# Altium PCB SONDE_2.PcbDoc (part 10 of 10)
Units mil, origin at the board's own origin, x right, y up, seen from the top; angles counter-clockwise.
Board outline 10236.22 x 6701.71 mil, 4 copper layers (Top Layer, GND, Internal Plane 2, Bottom Layer), stack 30.9 mil thick; 1794 components, 936 nets, 4747 pads, 493 vias.
Unrouted connection lines stored in the file: 1122.
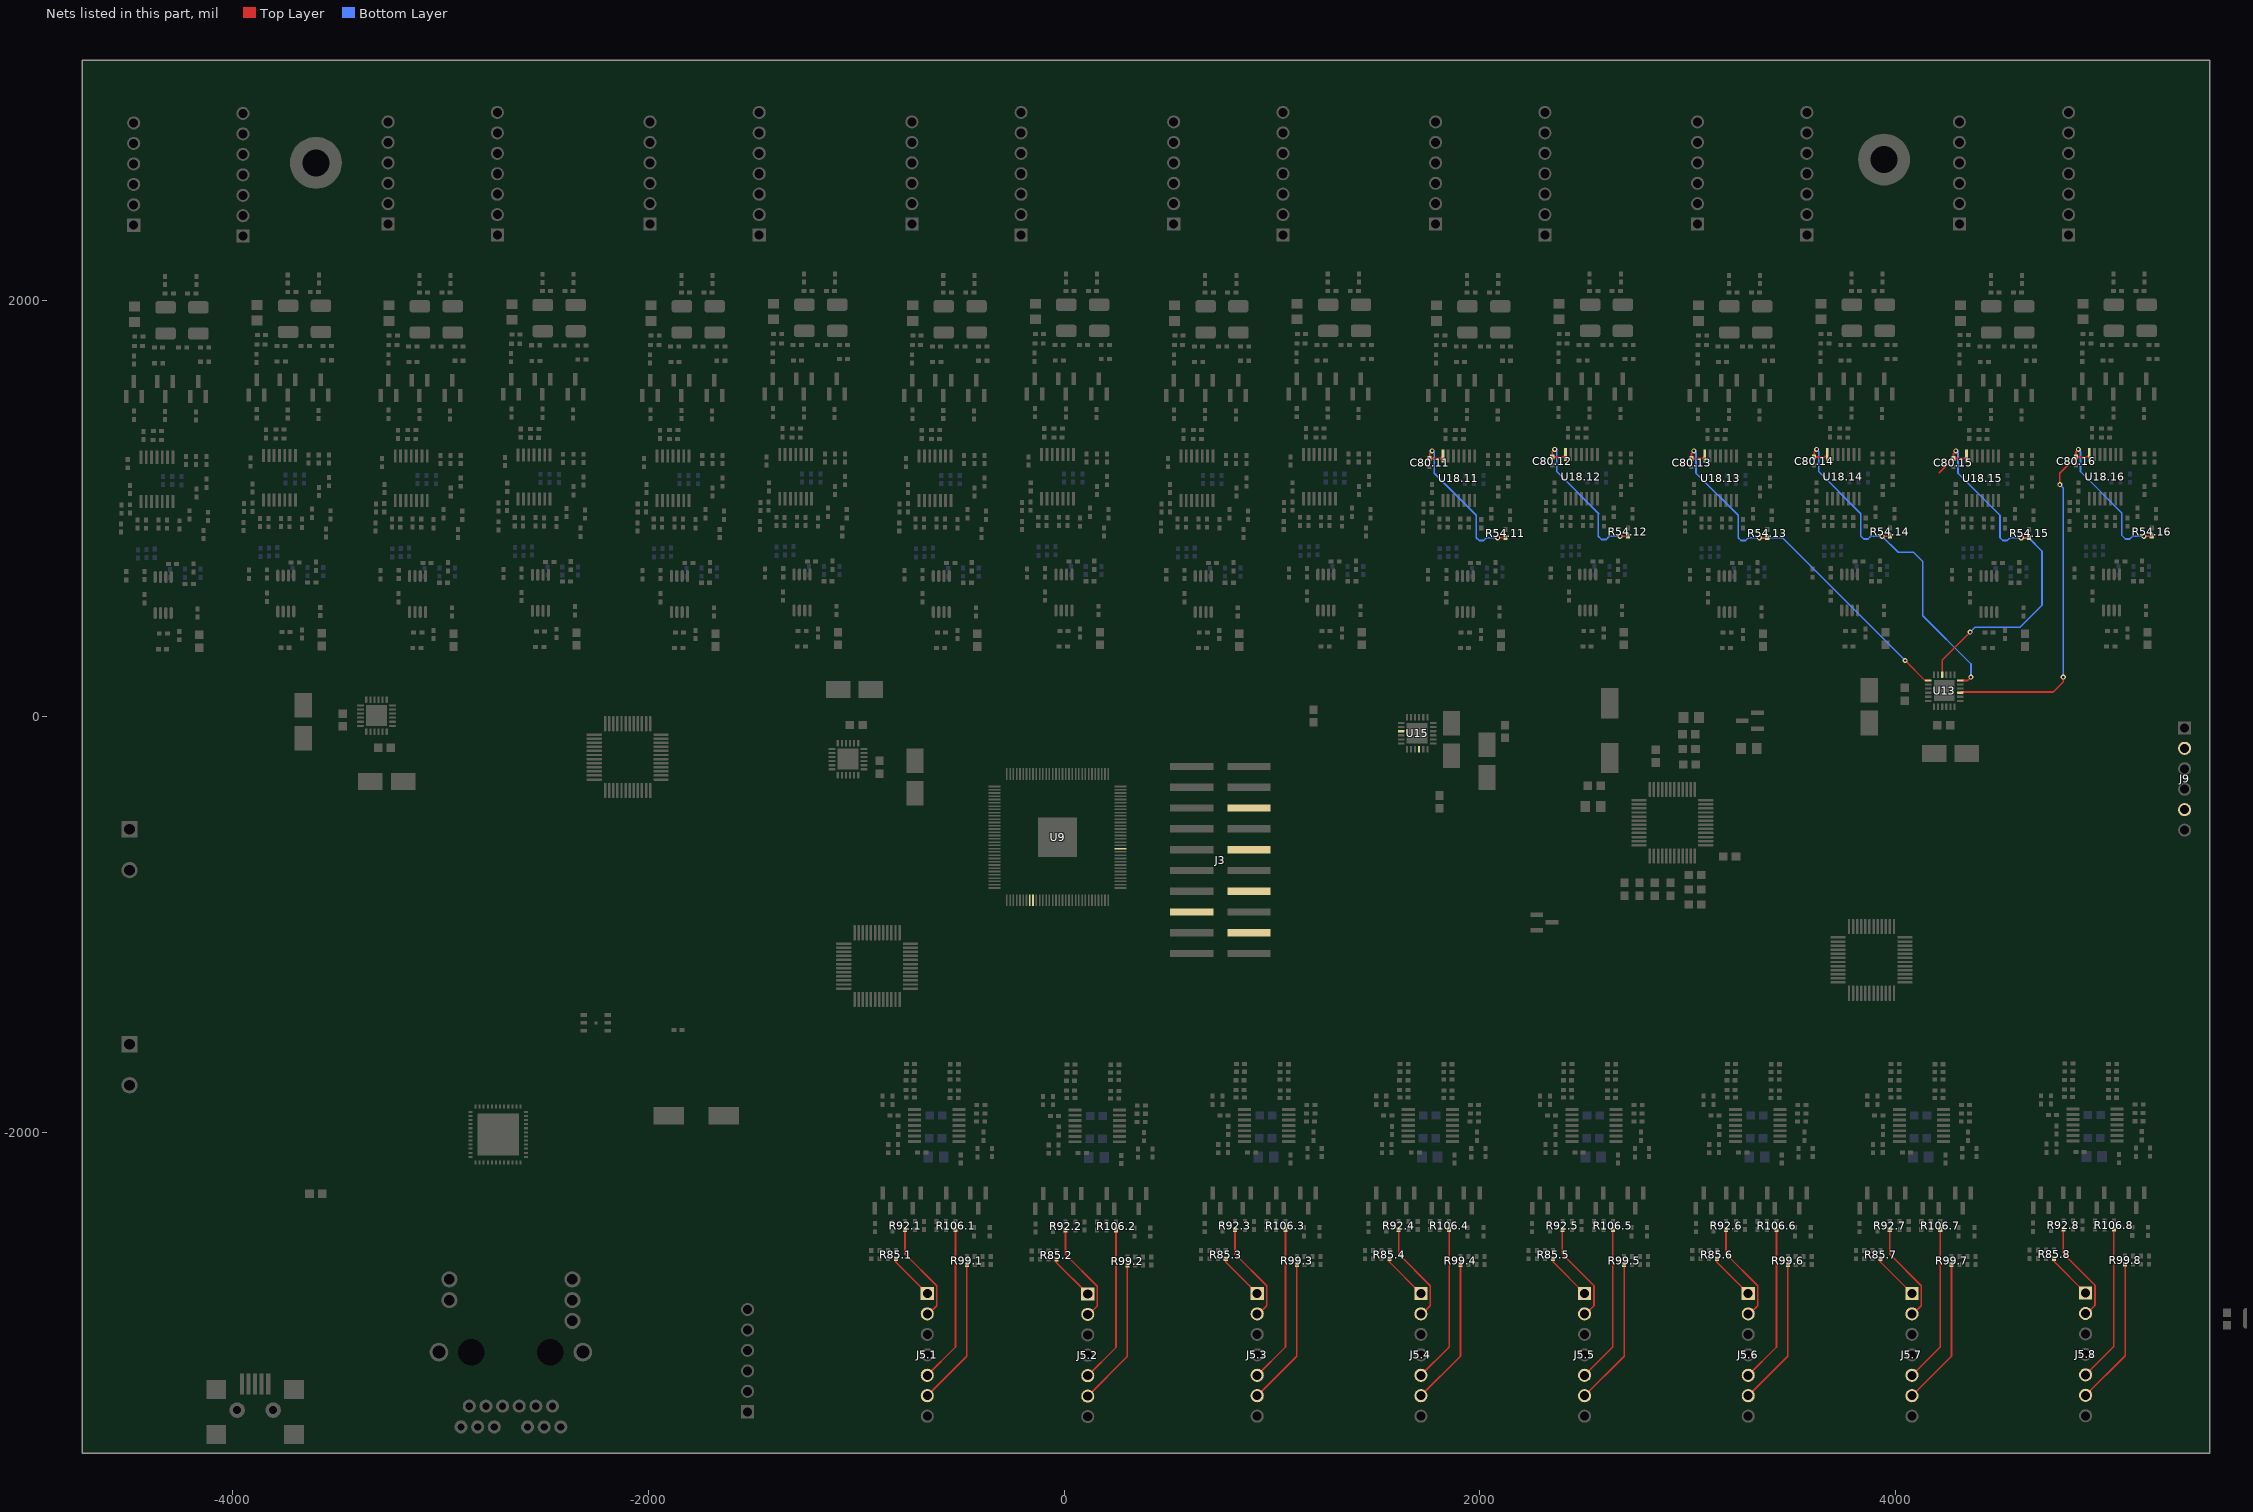
[diagram p12: the nets of this part, all layers, seen from the top]

## Via types
v1: diameter 25, hole 12, Top Layer to Bottom Layer, 493 vias

## Nets (pads, with @x,y where several pads share a name; then routed paths per layer and width w, separated by ;. In a path a pad name is that pad's centre, name@x,y a point inside that pad or via, vN(x,y) a via of type N, cw(c..) or ccw(c..) an arc to the next point about the centre after c; other vN are vias at no path point) (continued)
V1.11: C80.11.2 R54.11.1 U15.10 U18.11.7 | length 766
  Top Layer w8: v1(1769.95,1278.05) 1758.4,1266.5 C80.11.2@1758.4,1241.54 1810.07,1241.54 U18.11.7@1821.63,1253.09 ; v1(2084.95,860.05) 2121.07,860.05 R54.11.1@2122.51,861.49
  Bottom Layer w8: v1(1769.95,1278.05) 1779.95,1268.05 1779.95,1171.35 1982.4,968.9 1982.4,861.23 1996.46,847.17 2017.52,847.17 2030.4,860.05 v1(2084.95,860.05)
V1.12: C80.12.2 R54.12.1 U15.3 U18.12.7 | length 772.2
  Top Layer w8: v1(2359.62,1285.53) 2348.07,1273.97 C80.12.2@2348.07,1249.02 2399.75,1249.02 U18.12.7@2411.3,1260.57 ; v1(2674.62,867.53) 2710.74,867.53 R54.12.1@2712.18,868.96
  Bottom Layer w8: v1(2359.62,1285.53) 2369.62,1275.53 2369.62,1178.82 2572.07,976.38 2569.57,973.88 2569.57,867.67 2585.09,852.15 2607.05,852.15 2622.42,867.53 v1(2674.62,867.53)
V1.13: C80.13.2 R54.13.1 U13.13 U18.13.7 | length 1862.1
  Top Layer w8: v1(3029.79,1278.05) 3018.24,1266.5 C80.13.2@3018.24,1241.54 3069.92,1241.54 U18.13.7@3081.47,1253.09 ; v1(3344.79,860.05) 3380.91,860.05 R54.13.1@3382.35,861.49 ; v1(4045.5,270) 4141.32,174.18 U13.13@4156.83,174.18
  Bottom Layer w8: v1(3029.79,1278.05) 3039.79,1268.05 3039.79,1171.35 3242.24,968.9 3242.24,861.23 3256.3,847.17 3277.36,847.17 3290.24,860.05 v1(3344.79,860.05) 3455.45,860.05 v1(4045.5,270)
V1.14: C80.14.2 R54.14.1 U13.6 U18.14.7 | length 1722.2
  Top Layer w8: v1(3619.47,1285.53) 3607.91,1273.97 C80.14.2@3607.91,1249.02 3659.59,1249.02 U18.14.7@3671.14,1260.57 ; v1(3934.47,867.53) 3970.59,867.53 R54.14.1@3972.02,868.96 ; U13.6@4310.76,174.18 4346.38,174.18 v1(4362.2,190)
  Bottom Layer w8: v1(3619.47,1285.53) 3629.47,1275.53 3629.47,1178.82 3831.91,976.38 3831.91,868.71 3845.97,854.65 3867.03,854.65 3879.91,867.53 v1(3934.47,867.53) 4011.99,790 4086.23,790 4129.84,746.39 4129.84,485.25 4362.2,252.88 v1(4362.2,190)
V1.15: C80.15.2 R54.15.1 U13.10 U18.15.7 | length 1908.1
  Top Layer w8: 4210,1173.46 C80.15.2@4278.08,1241.54 ; U13.10@4223.95,201.94 4223.95,272.65 v1(4357.8,406.49) ; v1(4289.64,1278.05) 4278.08,1266.5 C80.15.2@4278.08,1241.54 ; U18.15.7@4341.31,1253.09 4329.76,1241.54 C80.15.2@4278.08,1241.54 ; v1(4604.64,860.05) 4640.76,860.05 R54.15.1@4642.19,861.49
  Bottom Layer w8: v1(4289.64,1278.05) 4299.64,1268.05 4299.64,1171.35 4502.08,968.9 4502.08,861.23 4516.14,847.17 4537.21,847.17 4550.08,860.05 v1(4604.64,860.05) 4639.95,860.05 4704,796 4704,535.89 4598.11,430 4381.31,430 v1(4357.8,406.49)
V1.16: C80.16.2 R54.16.1 U13.3 U18.16.7 | length 2404.6
  Top Layer w8: U13.3@4310.76,115.13 4314.33,118.69 4758.69,118.69 4806.6,166.6 v1(4806.6,190) ; v1(4790,1116.45) 4790,1171.26 C80.16.2@4867.75,1249.02 ; v1(4879.31,1285.53) 4867.75,1273.97 C80.16.2@4867.75,1249.02 ; U18.16.7@4930.98,1260.57 4919.43,1249.02 C80.16.2@4867.75,1249.02 ; v1(5194.31,867.53) 5230.43,867.53 R54.16.1@5231.87,868.96
  Bottom Layer w8: v1(4790,1116.45) 4806.6,1099.85 v1(4806.6,190) ; v1(4879.31,1285.53) 4889.31,1275.53 4889.31,1178.82 5086.84,981.29 5086.84,873.62 5105.81,854.65 5126.88,854.65 5139.75,867.53 v1(5194.31,867.53)
VUSB: C29.1 L3.1 U9.45 U10.5
W1: C182.1 J9.2 U28.10
W2: C184.1 J9.5 U28.6
XL_DN0: J3.14 U9.9
XL_DN1: J3.18 U9.8
XL_UP0: J3.10 R25.1
XL_UP1: J3.6 R26.1
XLRA1.1: J5.1.1 R85.1.1 | length 229.2
  Top Layer w8: R85.1.1@-809.76,-2608.15 -809.76,-2623.59 J5.1.1@-658.59,-2774.76
XLRA1.2: J5.2.1 R85.2.1 | length 229.2
  Top Layer w8: R85.2.1@-37.69,-2610.23 -37.69,-2625.67 J5.2.1@113.49,-2776.84
XLRA1.3: J5.3.1 R85.3.1 | length 229.2
  Top Layer w8: R85.3.1@777.49,-2608.15 777.49,-2623.59 J5.3.1@928.66,-2774.76
XLRA1.4: J5.4.1 R85.4.1 | length 229.2
  Top Layer w8: R85.4.1@1564.89,-2608.15 1564.89,-2623.59 J5.4.1@1716.06,-2774.76
XLRA1.5: J5.5.1 R85.5.1 | length 229.2
  Top Layer w8: R85.5.1@2352.29,-2608.15 2352.29,-2623.59 J5.5.1@2503.46,-2774.76
XLRA1.6: J5.6.1 R85.6.1 | length 229.2
  Top Layer w8: R85.6.1@3139.7,-2608.15 3139.7,-2623.59 J5.6.1@3290.87,-2774.76
XLRA1.7: J5.7.1 R85.7.1 | length 229.2
  Top Layer w8: R85.7.1@3927.1,-2608.15 3927.1,-2623.59 J5.7.1@4078.27,-2774.76
XLRA1.8: J5.8.1 R85.8.1 | length 229.2
  Top Layer w8: R85.8.1@4762.31,-2606.06 4762.31,-2621.51 J5.8.1@4913.49,-2772.68
XLRA2.1: J5.1.2 R92.1.1 | length 490.4
  Top Layer w8: R92.1.1@-765.48,-2468.15 -765.48,-2585.08 -613.1,-2737.46 -613.1,-2833.55 -652.73,-2873.18 J5.1.2@-658.59,-2873.18
XLRA2.2: J5.2.2 R92.2.1 | length 490.4
  Top Layer w8: R92.2.1@6.6,-2470.23 6.6,-2587.16 158.98,-2739.55 158.98,-2835.63 119.34,-2875.27 J5.2.2@113.49,-2875.27
XLRA2.3: J5.3.2 R92.3.1 | length 490.4
  Top Layer w8: R92.3.1@821.77,-2468.15 821.77,-2585.08 974.16,-2737.46 974.16,-2833.55 934.52,-2873.18 J5.3.2@928.66,-2873.18
XLRA2.4: J5.4.2 R92.4.1 | length 490.4
  Top Layer w8: R92.4.1@1609.18,-2468.15 1609.18,-2585.08 1761.56,-2737.46 1761.56,-2833.55 1721.92,-2873.18 J5.4.2@1716.06,-2873.18
XLRA2.5: J5.5.2 R92.5.1 | length 490.4
  Top Layer w8: R92.5.1@2396.58,-2468.15 2396.58,-2585.08 2548.96,-2737.46 2548.96,-2833.55 2509.32,-2873.18 J5.5.2@2503.46,-2873.18
XLRA2.6: J5.6.2 R92.6.1 | length 490.4
  Top Layer w8: R92.6.1@3183.98,-2468.15 3183.98,-2585.08 3336.36,-2737.46 3336.36,-2833.55 3296.72,-2873.18 J5.6.2@3290.87,-2873.18
XLRA2.7: J5.7.2 R92.7.1 | length 490.4
  Top Layer w8: R92.7.1@3971.38,-2468.15 3971.38,-2585.08 4123.76,-2737.46 4123.76,-2833.55 4084.13,-2873.18 J5.7.2@4078.27,-2873.18
XLRA2.8: J5.8.2 R92.8.1 | length 490.4
  Top Layer w8: R92.8.1@4806.6,-2466.06 4806.6,-2583 4958.98,-2735.38 4958.98,-2831.46 4919.34,-2871.1 J5.8.2@4913.49,-2871.1
XLRB1.1: J5.1.6 R99.1.1 | length 709.2
  Top Layer w8: J5.1.6@-658.59,-3266.89 -468.08,-3076.37 R99.1.1@-468.08,-2636.55
XLRB1.2: J5.2.6 R99.2.1 | length 709.2
  Top Layer w8: J5.2.6@113.49,-3268.97 304,-3078.45 R99.2.1@304,-2638.64
XLRB1.3: J5.3.6 R99.3.1 | length 709.2
  Top Layer w8: J5.3.6@928.66,-3266.89 1119.18,-3076.37 R99.3.1@1119.18,-2636.55
XLRB1.4: J5.4.6 R99.4.1 | length 709.2
  Top Layer w8: J5.4.6@1716.06,-3266.89 1906.58,-3076.37 R99.4.1@1906.58,-2636.55
XLRB1.5: J5.5.6 R99.5.1 | length 709.2
  Top Layer w8: J5.5.6@2503.46,-3266.89 2693.98,-3076.37 R99.5.1@2693.98,-2636.55
XLRB1.6: J5.6.6 R99.6.1 | length 709.2
  Top Layer w8: J5.6.6@3290.87,-3266.89 3481.38,-3076.37 R99.6.1@3481.38,-2636.55
XLRB1.7: J5.7.6 R99.7.1 | length 709.2
  Top Layer w8: J5.7.6@4078.27,-3266.89 4268.78,-3076.37 R99.7.1@4268.78,-2636.55
XLRB1.8: J5.8.6 R99.8.1 | length 709.2
  Top Layer w8: J5.8.6@4913.49,-3264.8 5104,-3074.29 R99.8.1@5104,-2634.47
XLRB2.1: J5.1.5 R106.1.1 | length 756.7
  Top Layer w8: J5.1.5@-658.59,-3168.46 -522.5,-3032.37 R106.1.1@-522.5,-2468.15
XLRB2.2: J5.2.5 R106.2.1 | length 756.7
  Top Layer w8: J5.2.5@113.49,-3170.54 249.58,-3034.45 R106.2.1@249.58,-2470.23
XLRB2.3: J5.3.5 R106.3.1 | length 756.7
  Top Layer w8: J5.3.5@928.66,-3168.46 1064.75,-3032.37 R106.3.1@1064.75,-2468.15
XLRB2.4: J5.4.5 R106.4.1 | length 756.7
  Top Layer w8: J5.4.5@1716.06,-3168.46 1852.16,-3032.37 R106.4.1@1852.16,-2468.15
XLRB2.5: J5.5.5 R106.5.1 | length 756.7
  Top Layer w8: J5.5.5@2503.46,-3168.46 2639.56,-3032.37 R106.5.1@2639.56,-2468.15
XLRB2.6: J5.6.5 R106.6.1 | length 756.7
  Top Layer w8: J5.6.5@3290.87,-3168.46 3426.96,-3032.37 R106.6.1@3426.96,-2468.15
XLRB2.7: J5.7.5 R106.7.1 | length 756.7
  Top Layer w8: J5.7.5@4078.27,-3168.46 4214.36,-3032.37 R106.7.1@4214.36,-2468.15
XLRB2.8: J5.8.5 R106.8.1 | length 756.7
  Top Layer w8: J5.8.5@4913.49,-3166.38 5049.58,-3030.29 R106.8.1@5049.58,-2466.06
XSYS_RST_N: D8.2 D8.3 J3.15
pads on no net: FID1.0 FID2.0 FID3.0 FID4.0 FID5.0 FID6.0 J3.1 J3.2 J3.3 J3.11 J3.17 J3.19 J4. SW1.3 SW1.4 SW2.3 SW2.4 U1.4 U1.6 U4.2 U9.22 U9.23 U9.25 U9.26 U9.31 U9.33 U9.34 U9.35 U9.39 U9.40 U9.50 U9.51 U9.53 U9.54 U9.55 U9.65 U9.75 U9.76 U9.77 U9.79 U9.82 U9.84 U13.25 U14.25 U15.25 U16.25 U23.1.22 U23.1.23 U23.1.26 U23.1.27 U23.1.30 U23.1.33 U23.1.36 U23.1.37 U23.1.40 U23.1.41 U23.2.22 U23.2.23 U23.2.26 U23.2.27 U23.2.30 U23.2.33 U23.2.36 U23.2.37 U23.2.40 U23.2.41 U25.45 U26. U26.13 U26.14
copper on no net: | length 0.8
  Top Layer w8: 6427.24,335.34 6427.81,334.77

## Polygon pours and split planes (outlines as drawn)
no net on Internal Plane 2 (split plane): 5491.71,1446.7 -2796.92,1446.7 -2796.92,2480.69 -2761.65,2515.96 5491.71,2515.96
no net on Internal Plane 2 (split plane): 5491.71,-1419.9 2357.87,-1419.9 2357.87,-1419.89 2355.26,-1418.5 2352.44,-1417.64 2349.5,-1417.35 2346.56,-1417.64 2343.73,-1418.5 2341.12,-1419.89 2341.12,-1419.9 -1758.51,-1419.9 -1312.65,-974.04 2657.8,-974.04 2794.84,-1111.08 2797.12,-1112.96 2799.73,-1114.35 2802.56,-1115.21 2805.5,-1115.5 2808.44,-1115.21 2811.26,-1114.35 2813.87,-1112.96 2816.15,-1111.08 2818.03,-1108.8 2819.42,-1106.19 2820.28,-1103.37 2820.57,-1100.43 2820.28,-1097.48 2819.42,-1094.66 2818.03,-1092.05 2816.15,-1089.77 2700.43,-974.04 5289.1,-974.04 5292.04,-973.75 5294.87,-972.89 5297.48,-971.5 5299.76,-969.63 5491.71,-777.67
no net on Internal Plane 2 (split plane): 5491.71,2546.1 -2767.9,2546.1 -2770.84,2545.81 -2773.67,2544.96 -2776.27,2543.56 -2778.56,2541.69 -2822.65,2497.59 -2824.53,2495.31 -2825.92,2492.7 -2826.78,2489.87 -2827.07,2486.93 -2827.07,1444.92 -2826.78,1441.98 -2825.92,1439.15 -2824.88,1437.21 -2825.68,1434.57 -2825.97,1431.63 -2825.68,1428.69 -2824.82,1425.86 -2823.43,1423.26 -2821.56,1420.97 -2819.27,1419.1 -2816.67,1417.7 -2813.84,1416.85 -2810.9,1416.56 5491.71,1416.56 5491.71,386.75 5491.71,-735.04 5282.86,-943.9 2670.28,-943.9 2052.56,-326.17 2050.27,-324.29 2047.67,-322.9 2044.84,-322.04 2041.9,-321.75 2038.96,-322.04 2036.13,-322.9 2033.52,-324.29 2031.24,-326.17 2029.37,-328.45 2027.97,-331.06 2027.11,-333.89 2026.83,-336.83 2027.11,-339.77 2027.97,-342.59 2029.37,-345.2 2031.24,-347.48 2627.65,-943.9 -1299.74,-943.9 -1301.52,-942.44 -1304.13,-941.04 -1306.96,-940.19 -1309.9,-939.9 -1314.9,-939.9 -1317.84,-940.19 -1320.67,-941.04 -1323.27,-942.44 -1325.56,-944.31 -1790.56,-1409.31 -1792.43,-1411.59 -1793.82,-1414.2 -1794.68,-1417.03 -1794.96,-1419.9 -1797.84,-1420.19 -1800.67,-1421.04 -1803.27,-1422.44 -1805.56,-1424.31 -2181.56,-1800.31 -2183.43,-1802.59 -2184.82,-1805.2 -2185.68,-1808.03 -2185.97,-1810.97 -2185.97,-2685.48 -2185.68,-2688.42 -2184.82,-2691.25 -2183.43,-2693.85 -2181.56,-2696.14 -2179.27,-2698.01 -2176.67,-2699.41 -2173.84,-2700.26 -2170.9,-2700.55 -2167.96,-2700.26 -2165.13,-2699.41 -2162.52,-2698.01 -2160.24,-2696.14 -2158.37,-2693.85 -2156.97,-2691.25 -2156.11,-2688.42 -2155.83,-2685.48 -2155.83,-1817.21 -1788.65,-1450.04 2345.8,-1450.04 2418.84,-1523.08 2421.12,-1524.96 2423.73,-1526.35 2426.56,-1527.21 2429.5,-1527.5 2432.44,-1527.21 2435.26,-1526.35 2437.87,-1524.96 2440.15,-1523.08 2442.03,-1520.8 2443.42,-1518.19 2444.28,-1515.37 2444.57,-1512.43 2444.28,-1509.48 2443.42,-1506.66 2442.03,-1504.05 2440.15,-1501.77 2388.43,-1450.04 5491.71,-1450.04 5491.71,-3523.21 -4704.31,-3523.21 -4704.31,386.75 -4704.31,3138.3 5491.71,3138.3
GND on GND (split plane): 5491.71,386.75 5491.71,-3523.21 -4704.31,-3523.21 -4704.31,386.75 -4704.31,3138.3 5491.71,3138.3

## Other copper
Internal Plane 2 (plane layer: these items are gaps in the copper):
  lines w30: -3070.9,-1542.97 -3067.29,-1546.57 -2671.5,-1546.57 ; -2969.9,1190.03 -2969.9,2760.03 ; -2812,1444.92 -2812,2486.93 -2767.9,2531.03 6377.1,2531.03 ; -2810.9,1431.63 6382.1,1431.63 ; -2520.9,-1202.97 -2520.9,642.03 ; -2170.9,-2685.48 -2170.9,-1810.97 -1794.9,-1434.97 5579.1,-1434.97 5955.1,-1058.97 5955.1,668.03 ; -1779.9,-1434.97 -1779.9,-1419.97 -1314.9,-954.97 -1309.9,-954.97 ; -1318.9,-958.97 5289.1,-958.97 5579.1,-668.97 5579.1,256.03 ; 2041.9,-336.83 2805.5,-1100.43 ; 2349.5,-1432.43 2429.5,-1512.43

## Text inside footprints (layer, text, board x,y; h text height)
C18: Drill Guide "Date : 2013-04-17" at -1227.01,-6188.39 h31.5 r90; Drill Guide "Created by : Alexandre Gaudet" at -1291.97,-6190.35 h31.5 r90; Drill Guide "Verified by : Alexandre Imbeault" at -1258.5,-6189.37 h31.5 r90
D2: Top Overlay "K" at 661.04,-6853.36 h40 r90
D3: Top Overlay "K" at 831.04,-6853.36 h40 r90
D19: Top Overlay "K" at 7942.79,-1750.33 h40 r90
D20: Top Overlay "K" at 8162.79,-1750.33 h40 r90
D21: Top Overlay "K" at 8392.79,-1750.33 h40 r90
D22: Top Overlay "K" at 8602.79,-1750.33 h40 r90
D23: Top Overlay "K" at 8832.79,-1750.33 h40 r90
D24: Top Overlay "K" at 9062.79,-1750.33 h40 r90
J3: Top Overlay "1" at 451.26,-190 h70 r270
P1: Top Overlay "1" at 5790,-660 h70